# KiCad board 8851_HW-U1-VCU118_REV2-0_071417.kicad_pcb (continued)
## Routing (per net, layer and track width the routed paths; a pad name or vN(x,y) marks a point on that pad's centre or on a via; arc(x,y) is an arc through that point) (continued)
  BOTTOM w0.15: 50.09,140.39 51.49,140.39 v3(51.52,140.43)
USER_SI570_2_CLOCK_SCL: length 145.8
  TOP w0.15: 133.83,119.61 132.75,119.61 v3(132.49,119.35) ; 91.64,24.45 v3(94.02,24.45)
  07_SIG3 w0.17: v3(138.78,106.15) 138.65,106.27 136.25,106.27 134,108.52 134,112.11 134.11,112.22 134.11,116.65 133.67,117.09 133.67,118.79 132.92,119.54 132.68,119.54 v3(132.49,119.35)
  14_SIG4 w0.087: v3(94.02,24.45) 94.11,24.55 94.11,25.43 97.03,28.34 97.03,29.65 98.62,31.24 98.62,32.54 108.01,41.93 108.01,43.38 108.27,43.64 108.61,43.64 109,44.03 109,45.32 109.29,45.62 109.64,45.62 109.98,45.96 109.98,46.23 110.35,46.6 110.77,46.6 110.96,46.79 110.96,48.28 111.25,48.56 111.64,48.56 111.95,48.87 111.95,51.18 111.95,51.19 111.95,51.23 112.24,51.52 112.63,51.52 112.93,51.81 112.93,55.17 113.22,55.46 113.65,55.46 113.91,55.72 113.91,56.15 114.2,56.44 114.61,56.44 114.9,56.73 114.9,57.14 115.19,57.42 115.95,57.42 116.23,57.7 116.23,61.14 116.82,61.72 116.82,62.04 117.12,62.35 117.56,62.35 117.85,62.63 117.85,63.08 118.1,63.33 118.55,63.33 118.84,63.62 118.84,64.06 119.24,64.46 119.68,64.46 120.8,65.59 120.8,66.03 121.06,66.28 121.5,66.28 121.79,66.57 121.79,69.93 122.08,70.22 122.48,70.22 122.77,70.51 122.77,70.92 123.06,71.2 123.47,71.2 123.76,71.49 123.76,71.9 124.05,72.19 128.43,72.19 128.68,72.44 128.68,73.88 128.97,74.17 129.4,74.17 129.56,74.34 129.56,76.78 129.33,77.01 128.92,77.01 128.58,77.35 128.58,77.76 128.35,77.99 127.93,77.99 127.59,78.33 127.59,78.75 127.36,78.98 126.85,78.98 126.61,79.21 126.61,79.73 126.38,79.96 125.86,79.96 125.63,80.2 125.63,83.09 125.8,83.26 125.8,84.71 126.09,85 126.55,85 126.72,85.17 126.72,85.67 126.99,85.95 127.33,85.95 127.62,86.23 127.62,86.64 127.97,86.99 128.6,86.99 128.79,87.18 128.79,87.72 129.04,87.97 129.4,87.97 131.04,89.61 131.04,89.72 134.81,93.49 134.81,105.3 134.81,105.82 136.74,107.75 138.78,107.75 139.32,107.21 139.32,106.33 139.15,106.15 v3(138.78,106.15)
  BOTTOM w0.15: 134.35,121.32 133.48,121.32 132.99,120.84 131.28,120.84 131.06,120.61 131.06,119.04 131.28,118.83 131.62,118.83 131.85,119.05 131.85,119.28 131.93,119.35 v3(132.49,119.35)
USER_SI570_2_CLOCK_SDA: length 145.2
  TOP w0.15: 133.83,120.25 v3(132.47,120.25) ; 97.24,24.45 v3(94.83,24.45)
  07_SIG3 w0.17: v3(132.47,120.25) 132.3,120.42 132.3,120.88 132.43,121.01 132.96,121.01 133.1,120.87 133.1,120.16 134.27,118.99 134.27,117.27 134.65,116.89 134.65,111.97 134.59,111.9 134.59,108.78 136.54,106.83 138.58,106.83 v3(138.7,106.95)
  14_SIG4 w0.087: v3(138.7,106.95) 138.52,107.13 137,107.13 135.43,105.56 135.43,105.02 135.56,104.9 136.78,104.9 136.9,104.78 136.9,104.41 136.78,104.29 135.56,104.29 135.43,104.17 135.43,103.8 135.56,103.68 136.83,103.68 137.04,103.46 137.04,103.15 136.91,103.02 135.51,103.02 135.43,102.94 135.43,93.45 129.65,87.67 129.65,87.08 129.5,86.93 129.03,86.93 128.77,86.67 128.77,86.11 128.58,85.92 127.89,85.92 127.65,85.68 127.65,85.23 127.48,85.06 126.98,85.06 126.68,84.76 126.68,83.14 126.46,82.92 126.06,82.92 125.82,82.69 125.82,80.39 126.05,80.16 126.46,80.16 126.81,79.81 126.81,79.41 127.04,79.18 127.45,79.18 127.79,78.83 127.79,78.42 128.02,78.19 128.43,78.19 128.78,77.85 128.78,77.44 129.01,77.21 129.42,77.21 129.76,76.86 129.76,74.18 129.66,74.08 129.66,72.37 129.47,72.17 128.81,72.17 128.7,72.06 128.7,71.42 128.48,71.2 124.05,71.2 123.76,70.92 123.76,70.51 123.47,70.22 123.06,70.22 122.77,69.93 122.77,66.59 122.46,66.28 122.01,66.28 121.79,66.06 121.79,65.57 121.43,65.21 120.91,65.21 119.82,64.12 119.82,63.61 119.54,63.33 118.97,63.33 118.84,63.19 118.84,62.67 118.51,62.35 118.07,62.35 117.85,62.13 117.85,61.62 117.6,61.36 116.9,61.36 116.6,61.07 116.6,57.29 115.75,56.44 115.13,56.44 114.9,56.21 114.9,55.68 114.68,55.46 114.11,55.46 113.91,55.26 113.91,51.8 113.63,51.52 113.12,51.52 112.93,51.33 112.93,48.74 112.76,48.57 112.1,48.57 111.94,48.41 111.94,46.84 111.7,46.6 111.19,46.6 110.96,46.37 110.96,45.88 110.69,45.61 110.27,45.61 109.98,45.32 109.98,45.25 109.98,45.25 109.98,43.97 109.98,43.97 109.98,43.93 109.69,43.65 109.29,43.65 109,43.36 109,43.27 108.99,43.27 108.99,41.84 108.66,41.5 108.3,41.5 99.74,32.94 99.74,31.64 97.65,29.55 97.65,28.09 94.73,25.17 94.73,24.55 v3(94.83,24.45)
  BOTTOM w0.15: 134.35,120.07 132.65,120.07 v3(132.47,120.25)
USER_SI570_CLOCK1_N: length 108.7
  TOP w0.102: 131.63,63.33 v2(132.12,62.84) ; v3(170.11,14.39) 170.46,14.05 170.46,13.81 170.69,13.57 171.72,13.57 172.11,13.96 172.11,14.58
  16_SIG5 w0.075: v2(132.12,62.84) 132.12,63.16 132.2,63.23 132.44,63.23 132.51,63.17 132.51,53.75 132.36,53.59 131.78,53.59 131.54,53.36 131.54,49.77 131.86,49.45 132.31,49.45 132.51,49.25 132.51,48.81 132.86,48.47 135.26,48.47 135.48,48.25 135.48,47.75 135.76,47.47 139.52,47.47 139.56,47.43 139.58,47.43
  16_SIG5 w0.087: 139.58,47.43 139.73,47.43 140.26,46.89 140.26,40.85 143.51,37.59 146.37,37.59 149.59,34.38 149.59,30.43 151.44,28.58 164.5,28.58 170.27,22.81 170.27,14.54 v3(170.11,14.39)
  BOTTOM w0.102: v2(132.12,62.84) 132.12,63.11 132.23,63.22 133.41,63.22 133.71,63.51 133.71,64.08 134.22,64.6 139.73,64.6 141.34,62.99 141.34,61.75 147.51,55.58 147.75,55.58 v3(148.12,55.2) 151.38,55.2
USER_SI570_CLOCK1_P: length 110.9
  TOP w0.102: 131.63,64.31 v2(132.12,63.82) ; v3(171.03,14.39) 170.68,14.05 170.68,13.9 170.79,13.8 171.62,13.8 171.75,13.93 171.75,14.05 171.62,14.18 171.62,14.58
  TOP w0.3: v3(172.99,18.44) 173.09,18.33 U157.13
  16_SIG5 w0.075: 139.58,47.7 139.56,47.7 139.52,47.66 135.85,47.66 135.67,47.83 135.67,48.33 135.34,48.66 132.94,48.66 132.71,48.89 132.71,49.33 132.4,49.64 131.94,49.64 131.73,49.85 131.73,53.27 131.86,53.4 132.44,53.4 132.7,53.66 132.7,63.25 132.52,63.43 132.2,63.43 132.12,63.5 v2(132.12,63.82)
  16_SIG5 w0.087: 139.58,47.7 139.84,47.7 140.53,47.01 140.53,40.96 143.62,37.87 146.49,37.87 149.87,34.49 149.87,30.54 151.55,28.86 164.61,28.86 170.54,22.93 170.54,14.65 170.81,14.39 v3(171.03,14.39)
  BOTTOM w0.102: v2(132.12,63.82) 132.12,63.61 132.29,63.44 133.32,63.44 133.48,63.61 133.48,64.17 134.13,64.82 139.82,64.82 141.56,63.08 141.56,61.84 147.6,55.8 147.75,55.8 v3(148.13,56.18) 151.38,56.18
  BOTTOM w0.375: 171.79,18.64 172.79,18.64 v3(172.99,18.44)
USER_SI570_CLOCK_N: length 83
  TOP w0.102: 104.96,24.97 104.96,25.86 v3(104.85,25.98) ; v2(99.64,73.66) 100.13,73.17 ; v3(84,73.55) 83.98,73.53 81.12,73.53
  16_SIG5 w0.075: v2(99.64,73.66) 100.03,73.28 100.03,71.41 100.33,71.11 110.71,71.11 110.86,70.95 110.86,60.67 110.67,60.47 110.17,60.47 109.88,60.18 109.88,48.64 109.86,48.62 109.86,46.47 109.9,46.44 109.9,43.67 109.86,43.63 109.86,41.66 109.82,41.62 109.82,41.6
  16_SIG5 w0.087: 109.82,41.6 109.82,39.85 106.77,36.81 105.17,35.2 105.17,30.36 104.5,29.69 104.5,27.98 105.1,27.38 105.1,26.23 v3(104.85,25.98)
  BOTTOM w0.102: v3(84,73.55) 84,73.96 84.1,74.06 86.81,74.06 87.27,74.52 93.13,74.52 93.47,74.19 98.81,74.19 99.34,73.66 v2(99.64,73.66)
USER_SI570_CLOCK_P: length 85
  TOP w0.102: v3(84,74.8) 83.72,74.52 81.12,74.52 ; v2(100.63,73.66) 101.12,73.17 ; 105.45,24.97 105.45,25.8 v3(105.62,25.98)
  16_SIG5 w0.075: v2(100.63,73.66) 100.32,73.66 100.22,73.57 100.22,71.49 100.41,71.3 110.79,71.3 111.06,71.03 111.06,60.59 110.75,60.28 110.25,60.28 110.07,60.1 110.07,48.56 110.06,48.54 110.06,46.55 110.09,46.52 110.09,43.58 110.06,43.55 110.06,41.66 110.1,41.62 110.1,41.6
  16_SIG5 w0.087: 110.1,41.6 110.1,39.74 105.44,35.08 105.44,30.25 104.77,29.57 104.77,28.1 105.38,27.49 105.38,26.23 v3(105.62,25.98)
  BOTTOM w0.102: v3(84,74.8) 84,74.39 84.1,74.29 86.72,74.29 87.17,74.75 92.99,74.75 93.38,75.14 98.97,75.14 99.17,74.94 99.17,74.47 99.53,74.12 99.83,74.12 100.29,73.66 v2(100.63,73.66)
USER_SMA_CLOCK_N: length 100.8
  TOP w0.102: J35.1 76.23,129.95 76.23,128.82 v7(76.15,128.75) ; 107.02,73.17 v2(106.53,73.66)
  03_SIG1 w0.107: 104.21,87.91 104.21,87.88 104.17,87.84 104.17,79.41 104.4,79.18 107.76,79.18 108.11,78.83 108.11,78.67 108.11,73.32 107.86,73.07 107.15,73.07 106.92,73.3 106.92,73.56 106.82,73.66 v2(106.53,73.66)
  03_SIG1 w0.133: 104.21,87.91 104.21,88.27 101.06,91.42 101.06,96.68 101.95,97.57 101.95,99.73 101.82,99.86 101.82,101.57 104.86,104.62 104.86,110.2 105.25,110.59 105.25,123.45 102.93,125.77 100.9,125.77 100.33,126.34 100.33,127.9 98.36,129.87 90.45,129.87 89.81,130.5 87.05,130.5 86.55,131 77.86,131 76.51,129.65 76.51,129.11 v7(76.15,128.75)
USER_SMA_CLOCK_P: length 100.8
  TOP w0.102: 108.01,73.17 v2(107.52,73.66) ; v7(77.15,128.75) 77.21,128.81 77.21,129.95 J34.1
  03_SIG1 w0.107: 103.93,87.91 103.93,87.88 103.97,87.84 103.97,79.32 104.32,78.98 107.68,78.98 107.91,78.75 107.91,73.4 107.78,73.27 107.23,73.27 107.12,73.38 107.12,73.56 107.23,73.66 v2(107.52,73.66)
  03_SIG1 w0.133: v7(77.15,128.75) 76.79,129.11 76.79,129.54 77.97,130.72 79.29,130.72 79.43,130.59 79.43,130.26 79.56,130.12 79.82,130.12 79.96,130.26 79.96,130.59 80.09,130.72 80.35,130.72 80.49,130.59 80.49,130.26 80.62,130.12 80.88,130.12 81.02,130.26 81.02,130.59 81.15,130.72 86.44,130.72 86.94,130.22 89.7,130.22 90.33,129.59 98.24,129.59 100.05,127.79 100.05,126.23 100.78,125.5 102.81,125.5 104.98,123.33 104.98,110.71 104.59,110.32 104.59,104.73 101.54,101.69 101.54,99.75 101.67,99.62 101.67,97.69 100.79,96.8 100.79,91.31 103.93,88.16 103.93,87.91
UTIL_1V35: length 67.5
  TOP w0.375: 48.55,102.9 J97.1 ; J97.1 48.81,103.69 ; J97.1 48.81,102.1 ; J97.1 49.6,101.85 ; J97.1 49.6,103.95 ; J97.1 50.65,102.9 ; J97.1 50.39,103.69 ; J97.1 50.39,102.1 ; U142.A3 v2(70.2,121.23) ; 78.57,108.92 v2(79.06,108.43) ; U141.A3 v2(87.82,121.38) ; 70.69,108.92 v2(70.2,108.43) ; 73.64,112.86 v2(73.15,112.37) ; U141.F3 v2(87.82,116.46) ; 75.61,118.77 v2(76.1,119.26) ; v3(67.1,110.07) 66.54,110.62 66,110.62 65.51,110.13 65.99,109.65 66.65,109.65 v3(67.07,109.23) ; 101.33,109.71 100.73,110.31 99.9,110.31 v2(99.65,110.56) ; U141.L1 v2(85.85,110.55) ; U141.N11 v2(96.68,108.58) ; U141.N3 v2(87.82,108.58) ; U141.H2 v2(86.84,113.51) ; v2(89.79,113.51) U141.H5 ; 80.53,118.77 v2(81.03,119.26) ; 75.61,110.89 v2(76.1,110.4) ; U142.A11 v2(79.06,121.23) ; U141.A11 v2(96.68,121.38) ; U141.H12 v2(97.67,113.51) ; U141.F11 v2(96.68,116.46) ; U141.L13 v2(98.65,110.56) ; U141.H9 v2(94.71,113.51) ; v3(67.18,117.43) 66.01,117.43 65.78,117.67 65.78,117.97 66.19,118.37 67.13,118.37 v3(67.26,118.25) ; U142.L1 v2(68.23,110.4) ; U141.C1 v2(85.85,119.41) ; 73.65,109.91 v2(73.15,109.41) ; 80.53,110.89 v2(81.03,110.4) ; U142.C1 v2(68.23,119.26) ; 73.64,116.8 v2(73.15,117.29) ; U141.C13 v2(98.65,119.41) ; 73.64,119.75 v2(73.15,120.24)
  11_PWR2 w0.375: 48.81,102.1 J97.1 ; J97.1 48.81,103.69 ; J97.1 48.55,102.9 ; J97.1 49.6,101.85 ; J97.1 50.39,103.69 ; J97.1 50.65,102.9 ; J97.1 49.6,103.95
  BOTTOM w0.188: 102.77,114.11 102.59,113.93 102.59,112.69 103.32,111.97 103.32,111.22 102.7,110.61 101.45,110.61 101,111.06 100.03,111.06 100,111.03 99.13,111.03 v2(98.65,110.56)
  BOTTOM w0.375: v2(73.15,117.29) 73.39,117.05 74.03,117.05 ; v2(96.68,121.38) 96.91,121.61 C1269.1 ; v2(76.11,107.45) 76.13,107.43 C1296.1 ; 86.65,107.55 86.79,107.55 v2(87.82,108.58) ; v2(73.15,109.41) 73.41,109.67 74.03,109.67 ; 90.02,114.43 90.02,113.74 v2(89.79,113.51) ; v2(94.71,113.51) 94.29,113.93 C1282.1 ; 74.03,112.55 73.33,112.55 v2(73.15,112.37) ; v3(89,122.7) 89,123.57 89.48,124.05 89.97,123.56 v3(89.97,122.69) ; 74.03,120.07 73.33,120.07 v2(73.15,120.24) ; v2(86.84,113.51) 87.02,113.69 87.02,114.43
  vias: v3(45.25,105.17) v3(45.25,104.05) v3(45.25,102.92) v3(46.5,105.17) v3(46.5,104.05) v3(46.5,102.92) v3(47.75,105.17) v3(47.75,104.05) v3(47.75,102.92) v4(48.96,101.08) v4(48.96,99.33) v4(50.17,100.53) v4(50.21,99.33)
UTIL_1V35_DH_R: length 21.9
  TOP w0.375: v3(40.62,108.92) 41.24,108.92 41.34,108.82
  20_SIG7 w0.375: v3(50.68,118.87) 49.95,118.14 49.95,114.77 48.68,113.51 47.33,113.51 46.61,114.22 46.61,114.96 46.22,115.36 43.06,115.36 40.62,112.92 v3(40.62,108.92)
  BOTTOM w0.5: R1022.2 v3(50.68,118.87)
UTIL_1V35_DL: length 8
  TOP w0.25: v3(42.43,112.65) 42.3,112.65 41.98,112.33 41.98,111.72
  16_SIG5 w0.375: v3(45.6,116.72) 43.87,114.99 43.87,114.09 v3(42.43,112.65)
  BOTTOM w0.25: 45.22,118 45.22,117.33 45.6,116.95 v3(45.6,116.72)
UTIL_1V35_FET_SWITCH: length 24.9
  TOP w0.15: v3(48.42,107.67) 48.71,107.96 48.71,110.76 48.41,111.06 L66.1
  TOP w0.375: v3(50.8,120) 51.8,120 51.8,119.99
  BOTTOM w0.15: 48.5,109.93 48.5,107.75 v3(48.42,107.67)
  BOTTOM w0.25: 46.85,118.65 47.77,118.65 48.35,118.07 49.65,118.07 49.97,117.75
  BOTTOM w0.3: 49.97,117.75 C1325.2
  BOTTOM w0.375: 46.77,112.27 46.77,114.42 47.75,115.4 48.82,115.4 49.97,116.54 C1325.2 50.7,117.25 51.39,117.94 51.39,119.41 v3(50.8,120) R1076.2
  vias: v3(43.43,107.77) v3(44.03,106.97) v3(44.18,108.27) v3(45.03,106.85) v3(45.33,107.85) v3(46.15,106.85) v3(46.52,107.85) v3(47.15,106.85)
UTIL_1V35_PGOOD: length 222.2
  TOP w0.375: 203,168.86 v3(202.07,168.86) ; R1288.2 v3(200.74,160.3) ; v3(198.81,161.34) 198.9,161.43 199.76,161.43
  05_SIG2 w0.375: v3(46.12,154.35) 44.98,153.21 44.98,146.67 46.95,144.7 46.95,139.28 45.8,138.12 45.8,137.28 44.64,136.11 43.81,136.11 42.3,134.6 42.3,132.43 40.2,130.33 40.2,127.85 39.35,127 39.35,123.9 40.5,122.75 v3(41.35,122.75)
  07_SIG3 w0.375: v3(198.81,161.34) 198.81,163.69 201.12,166 201.12,167.91 v3(202.07,168.86)
  20_SIG7 w0.375: v3(46.12,154.35) 46.16,154.39 46.16,164.68 50.17,168.69 53.72,168.69 56.38,171.35 191.91,171.35 193.11,170.15 200.78,170.15 v3(202.07,168.86)
  BOTTOM w0.25: v3(41.35,122.75) 41.35,122.62 41.88,122.09 42.1,122.09
  BOTTOM w0.375: 200.09,161.34 v3(198.81,161.34)
UTIL_1V35_SNS_N: length 91.1
  05_SIG2 w0.133: v3(65.47,127.35) 65.15,127.67 63.96,127.67 54.08,117.79 43.85,117.79 41.61,120.02 39.13,120.02 v3(38.78,119.67)
  BOTTOM w0.102: 103.34,114.86 103.46,114.74 104.27,114.74 104.38,114.84 104.38,126.13 101.69,128.81 87.04,128.81 86.83,129.03 83.75,129.03 82.9,129.88 71.21,129.88 70.45,129.12 67.76,129.12 66.33,127.69 65.82,127.69 v3(65.47,127.35) ; 40.05,119.65 39.74,119.97 39.08,119.97 v3(38.78,119.67) ; 40.05,119.65 40.39,119.99 40.69,119.99 41.54,119.14 42.1,119.14 ; 40.05,119.65 40.05,118.51
UTIL_1V35_SNS_P: length 93.2
  05_SIG2 w0.133: v3(65.47,128.26) 65.15,127.94 63.84,127.94 53.96,118.06 43.96,118.06 41.73,120.3 39.65,120.3 v3(39.18,120.77)
  BOTTOM w0.102: 103.34,114.11 103.74,114.51 104.36,114.51 104.6,114.75 104.6,126.23 101.79,129.04 87.14,129.04 86.92,129.25 83.85,129.25 82.99,130.11 71.12,130.11 70.35,129.34 67.67,129.34 66.24,127.92 65.82,127.92 v3(65.47,128.26) ; 42.1,119.63 41.37,119.63 40.7,120.3 40.7,120.5 40.56,120.64 40.05,120.64 39.89,120.47 39.47,120.47 v3(39.18,120.77)
  BOTTOM w0.25: 45.85,125.59 45.85,124.03 45.22,123.39 U150.27
UTIL_1V35_TEMPX: length 21.9
  BOTTOM w0.25: 50.26,111.42 50.75,111.92 52.27,111.92 52.69,112.34 52.69,121.39 48.91,125.17 47.72,125.17 47.48,124.93 47.48,124.52 47.08,124.12 46.6,124.12 45.71,123.23 45.71,122.75
UTIL_3V3: length 382.1
  TOP w0.138: v3(144.21,114.58) 144.15,114.64 R125.1
  TOP w0.15: 114.75,24.61 113.76,24.61 v3(113.19,24.03) ; 172.62,38.79 172.01,38.79 171.53,38.31 170.99,38.31 170.99,37.06 v3(171,37.05) ; 2.3,138.74 v3(2.3,139.62) ; v3(169.86,64.4) 169.61,64.15 169.61,63.39
  TOP w0.25: v3(222.53,67.7) 222.53,67.41 222.29,67.16 222.29,66.52 ; v3(132.47,126.5) U37.6 ; 106.19,22.75 106.61,22.75 v3(107.09,22.27) ; 222.78,66.52 222.78,66.15 223.17,65.76 v3(223.2,65.76)
  TOP w0.3: v3(173.38,37.67) 173.44,37.74 R213.1 R192.1 ; 46.15,136.68 46.15,137.23 46.3,137.38 ; 59.97,85.66 59.52,85.66 59.23,85.38 v3(58.98,85.38) ; v3(222.53,67.7) 222.74,67.9 222.74,68.32 223.34,68.92 223.38,68.92 ; v3(59.61,120.21) 59.61,119.81 U151.A3
  TOP w0.375: v3(58,131.43) 57.9,131.33 57.9,129.85 ; v3(225.93,169.15) 225.6,168.82 224.85,168.82 ; v3(121.2,145.43) 120.29,145.43 119.56,144.7 119.56,144.25 120.36,143.45 v3(121.17,143.45) ; v3(173.38,37.67) 173.24,37.81 172.62,37.81 ; v3(62.16,24.54) 62.81,25.19 L71.1 65.23,25.19 v3(65.38,25.05) ; v3(48.84,140.24) 49.22,140.62 R603.1 ; R604.1 49.09,141.99 48.97,141.87 v3(48.59,141.87) ; v3(173.14,40.47) 173.51,40.85 R208.1 ; 58.12,85.17 58.78,85.17 v3(58.98,85.38) ; v3(126.1,145.2) 126.96,145.2 127.56,144.6 C957.1 126.91,143.5 v3(126.17,143.5) ; 223.38,67.93 223.38,65.93 v3(223.2,65.76) ; U39.15 121.38,111.1 v3(121.1,111.38) 121.1,111.39 121.44,111.74 122.25,111.74 ; J2.D40 v3(125.4,159.5) ; 130.14,14.68 131.13,14.68 v3(131.14,14.68) ; J22.Z40 v3(56.5,154.5) ; v3(61.62,144.75) 61.6,144.77 U19.23 ; v3(202.23,144.53) 202.21,144.55 201.37,144.55 ; 56.56,116.93 56.56,117.54 v3(56.27,117.83) ; 39.81,101.95 v3(41.06,101.95) ; J2.C39 v3(126.65,158.25) ; R28.1 197.93,21.31 v3(198.43,21.81) ; J2.D36 v3(130.4,159.5) ; 116.5,111.74 118.14,111.74 v3(118.46,111.42) 118.14,111.1 U39.10 ; v3(205.26,144.5) 205.21,144.55 204.37,144.55 ; J22.D36 v3(61.5,159.5) ; v3(142.74,120.84) 142.91,120.67 143.62,120.67 ; J22.D32 v3(66.5,159.5) ; 46.17,138.15 46.98,138.15 v3(47.12,138.3) ; v3(54.75,127.73) 54.75,128.81 54.95,129 55.03,129.08 R1008.1 ; U39.3 v3(118.46,115.58) ; R388.1 R389.1 v3(56.5,86.3) ; J2.D38 v3(127.9,159.5) ; v3(170.62,40.3) 170.51,40.42 R217.1 ; U19.24 61.47,145.41 v3(61.68,145.62) ; v3(145.46,116.61) 145.46,116.31 145.14,115.99 145.14,115.55 145.14,113.81 R399.1 ; J103.1 199.18,30.3 ; J103.1 198.12,31.35 ; J103.1 198.92,31.09 ; 204.23,142.06 v3(203.5,142.06) ; DS2.3 219.72,166.93 220.36,166.29 v3(220.36,166.01) ; 110.63,22.11 109.92,22.81 v3(109.02,22.81) 108.88,22.67 108.88,21.55 108.63,21.31 108,21.31 ; 204.23,143.04 v3(203.48,143.04) ; J22.D40 v3(56.5,159.5) ; C1164.1 142.13,100.29 142.57,99.85 142.82,99.85 v3(143,99.67) 142.6,99.27 142.23,99.27 141.21,100.29 141.21,100.97 140.22,101.95 140.22,102.82 v3(139.17,103.87) ; v3(142,112.42) 141.99,112.42 141.12,112.42 ; v3(205.05,163.1) DS3.3 ; C71.1 v3(221.51,72.42) ; U39.22 v3(121.11,115.58) ; v3(98.5,21.58) 97.75,21.58 96.94,22.39 ; U124.A3 14.18,116.85 v3(13.94,117.09) ; 192.88,60.31 192.88,59.67 v3(192.94,59.61) ; U38.6 91.94,27.71 v3(92.28,28.05) ; 222.49,71.31 v3(223.26,71.31) ; 172.62,35.68 v3(172.62,34.92) ; J22.D38 v3(59,159.5) ; v3(3.8,138.73) 4,138.93 R786.1 ; 192.88,61.29 v3(192.88,61.92) ; J2.D32 v3(135.4,159.5) ; 26.69,148.94 v3(26.69,149.81) ; J22.C39 v3(57.75,158.25) ; 221.38,151.15 v3(221.38,152.03) ; 39.75,98.21 v3(39.75,99.05)
  09_PWR1 w0.375: 62.66,22.23 J9.1 ; J9.1 64.5,23.02 ; J9.1 63.45,24.08 ; J9.1 64.24,22.23 ; J9.1 63.45,21.97 ; J9.1 64.24,23.82 ; J9.1 62.4,23.02 ; J9.1 62.66,23.82 ; 232.3,77.67 233.09,76.88 ; 232.3,77.67 232.3,76.62 ; 232.3,77.67 233.09,78.47 ; 232.3,77.67 231.51,76.88 ; 232.3,77.67 232.3,78.73 ; 232.3,77.67 231.25,77.67 ; 232.3,77.67 231.51,78.47 ; 232.3,77.67 233.35,77.67 ; 225.05,61.47 225.84,60.67 ; 225.05,61.47 225.05,62.52 ; 225.05,61.47 224.26,62.26 ; 225.05,61.47 225.84,62.26 ; 225.05,61.47 225.05,60.42 ; 225.05,61.47 224.26,60.67 ; 225.05,61.47 226.1,61.47 ; 225.05,61.47 224,61.47 ; J8.1 198.8,25.93 ; J8.1 196.96,26.72 ; J8.1 196.7,25.93 ; J8.1 198.54,25.13 ; J8.1 197.75,24.87 ; J8.1 198.54,26.72 ; J8.1 197.75,26.98 ; J8.1 196.96,25.13 ; J103.1 198.12,31.35 ; J103.1 198.92,29.51 ; J103.1 198.12,29.25 ; J103.1 197.33,29.51 ; J103.1 197.33,31.09 ; J103.1 197.07,30.3 ; J103.1 198.92,31.09 ; J103.1 199.18,30.3 ; 226.76,62.26 227.55,61.47 ; 227.55,61.47 226.76,60.67 ; 227.55,61.47 227.55,60.42 ; 227.55,61.47 227.55,62.52 ; 227.55,61.47 228.6,61.47 ; 227.55,61.47 228.34,62.26 ; 227.55,61.47 226.5,61.47 ; 227.55,61.47 228.34,60.67 ; 234.8,77.67 234.8,78.73 ; 234.8,77.67 234.01,76.88 ; 234.8,77.67 234.8,76.62 ; 234.8,77.67 235.59,76.88 ; 234.8,77.67 235.85,77.67 ; 234.8,77.67 233.75,77.67 ; 234.8,77.67 234.01,78.47 ; 234.8,77.67 235.59,78.47
  16_SIG5 w0.375: 225.05,61.47 225.84,60.67 ; 225.05,61.47 224.26,60.67 ; 225.05,61.47 226.1,61.47 ; 225.05,61.47 225.05,62.52 ; 225.05,61.47 224.26,62.26 ; 225.05,61.47 225.05,60.42 ; 225.05,61.47 224,61.47 ; 225.05,61.47 225.84,62.26 ; 226.76,60.67 227.55,61.47 ; 227.55,61.47 228.6,61.47 ; 227.55,61.47 228.34,60.67 ; 227.55,61.47 227.55,60.42 ; 227.55,61.47 226.76,62.26 ; 227.55,61.47 226.5,61.47 ; 227.55,61.47 228.34,62.26 ; 227.55,61.47 227.55,62.52
  BOTTOM w0.15: v3(2.3,139.62) 3.88,139.62 4.63,138.87 5.55,138.87 ; 144.21,115.6 v3(144.21,114.58) ; U31.5 170.31,37.74 v3(171,37.05) ; R129.1 v3(169.86,64.4) ; R77.1 113.23,24.05 arc(113.21,24.05) v3(113.19,24.03) ; U154.16 5.96,166.39 6.75,167.18 6.75,170 6.95,170.2 7.5,170.2 7.67,170.03 7.67,167.68 8,167.35 8.53,167.35 8.85,167.68 8.85,170.35 9,170.5 9.65,170.5 9.8,170.35 9.8,166.78 10.57,166 12.32,166 12.6,166.27 12.6,167.52
  BOTTOM w0.2: U13.7 34.24,68.6 33.74,69.1 v3(33.74,69.18) ; v3(49.73,79.45) 50.05,79.12 U22.7 ; v3(33.65,66.44) 34.09,66.44 34.24,66.58 U13.1 ; U22.1 50.05,76.35 v3(50,76.3)
  BOTTOM w0.25: v3(54.75,127.73) 55.29,128.26 55.29,129.03 ; 143.3,100.53 143.3,100.14 143,99.84 v3(143,99.67) ; 40.33,104.5 40.77,104.5 41.02,104.75 ; 142.74,119.87 v3(142.74,120.84) ; 41.6,104.5 41.62,104.47 ; 192.94,60.66 v3(192.94,59.61) ; 229.5,104.63 229.5,104.15 v4(228.62,103.26)
  BOTTOM w0.3: 174.64,37.74 173.44,37.74 v3(173.38,37.67) ; v3(202.23,144.53) 200.74,144.53 ; v3(192.88,61.92) 192.44,61.49 192.44,60.66 ; 187.67,151.48 187.67,150.75 v3(187.45,150.53) ; 169.36,40.24 170.56,40.24 v3(170.62,40.3)
  BOTTOM w0.375: RP2.4 195.93,146.74 v3(195.54,147.14) 195.93,147.53 RP2.3 ; 169.99,41.33 170.62,40.69 v3(170.62,40.3) ; v3(172.5,62.57) 171.91,63.15 171.34,63.15 ; v3(47.67,72.33) 49.73,72.33 ; R929.1 142.51,99.18 v3(143,99.67) ; R500.1 v3(221.13,34.42) ; v3(139.17,103.87) 139.81,104.5 141.57,104.5 141.95,104.12 141.95,102.65 141.12,101.83 141.12,100.55 141.39,100.28 141.39,97.91 141.88,97.42 R928.1 ; 16.61,70.94 v3(16.61,71.64) ; 30.77,81.31 31.96,81.31 v3(32,81.27) 33,81.27 ; v3(3.8,138.73) 3.8,138.23 4.14,137.89 5.55,137.89 ; v3(66.35,149.66) 65.31,149.66 ; 59.52,119.45 59.52,120.13 v3(59.61,120.21) ; 5.78,130.01 5.78,130.72 v3(5.85,130.8) 5.85,131.66 ; C69.1 58.11,45.51 58.34,45.74 59.11,45.74 v3(59.46,46.1) 59.82,45.74 60.8,45.74 ; v3(49.94,147.74) 51.84,147.74 ; v3(207.88,145.55) 207.5,145.17 206.48,145.17 ; 131.57,126.52 132.45,126.52 v3(132.47,126.5) ; v3(31.88,115.02) 31.88,114.67 32.38,114.17 ; 60.96,144.51 60.96,145.62 ; 60.96,144.51 60.96,143.41 ; 60.96,144.51 61.39,144.51 v3(61.62,144.75) ; 60.96,145.62 v3(61.68,145.62) ; 60.96,145.62 60.96,146.71 60.93,146.73 ; C154.1 v3(189.21,119.66) ; v3(45.27,142.5) 45.48,142.29 46.42,142.29 R607.1 R608.1 ; R331.2 v3(125.97,139.21) ; 119.54,153.65 v3(119.54,154.64) ; 6.42,158.89 6.42,159.02 6.83,159.42 v3(7.1,159.42) ; 12.69,118.81 11.88,118.81 v3(11.86,118.79) ; v3(60.26,22.67) 60.04,22.45 58.45,22.45 58.45,21.33 ; v3(61.8,139.38) 61.62,139.2 60.96,139.2 60.96,140.2 ; 227.85,103.13 228.49,103.13 v4(228.62,103.26) ; 59.1,44.86 59.72,44.86 59.81,44.76 61.58,44.76 v3(61.65,44.83) ; 205.38,159.67 v3(204.5,159.67) ; v3(33.74,69.18) 33.79,69.18 34.27,69.67 C40.1 ; 221.38,151.15 v3(221.38,152.03) ; RP3.4 195.93,150.24 v3(195.54,150.64) 195.93,151.03 RP3.3 ; v3(59.17,49.04) 58.97,48.85 58.45,48.85 58.45,49.27 58.69,49.52 58.69,50 ; 214.13,166.79 v3(214.13,166.09) ; 16.93,167.52 v3(16.93,166.25) ; 127.66,153.65 v3(127.66,154.64) ; C204.1 97.03,21.89 97.35,21.58 v3(98.5,21.58) ; 212.5,166.79 v3(212.5,166.09) ; v3(221.13,30.68) R501.1 R502.1 ; C73.1 v3(227.26,89.76) ; RP2.2 195.93,148.32 v3(195.54,148.71) 195.93,149.11 RP2.1 ; 14.73,70.94 v3(14.73,71.64) ; 57.15,151.13 55.53,151.13 v3(55.53,152.12) ; 25.49,114.05 26.24,113.3 v3(26.5,113.3) 27.01,113.81 C774.1 ; R323.1 v3(197.02,144.94) ; v3(182.58,141) 182.99,141.41 183.33,141.41 ; 52.28,151.13 v3(52.28,152.12) ; v3(128.28,127.49) 129.16,127.49 ; 215.75,166.79 v3(215.75,166.09) ; 62.07,118.85 62.07,119.55 61.99,119.63 61.49,119.63 v3(61.25,119.88) ; v3(107.09,22.27) 107.09,22.3 106.25,23.14 ; R220.1 166.38,41.82 v3(166.8,42.24) ; v3(59.18,47.07) 59.18,47.4 58.95,47.63 58.45,47.63 58.45,46.5 ; v3(31.5,84.8) 31.5,85.03 R126.1 ; 121.16,153.65 v3(121.16,154.64) ; 206.48,144.53 205.34,144.53 205.31,144.5 v3(205.26,144.5) ; 205.13,166.79 v3(205.13,166.09) ; 38.31,75.98 v3(37.48,75.98) 37.11,75.98 36.74,76.36 v3(36.74,79.25) ; 61.4,24.62 v3(60.56,24.62) ; 207.38,159.67 v3(206.44,159.67) ; v3(166.95,37.2) 166.76,37.2 166.38,37.58 R221.1 ; 54.75,15.43 54.75,14.98 v3(55.1,14.62) ; v3(14.74,117.81) C866.1 16.56,117.21 16.56,116.47 v3(16.46,116.38) ; 49.03,151.13 v3(49.03,152.12) ; v3(45.53,144.63) R91.1 R92.1 ; 210.13,166.79 v3(210.13,166.09) ; 203.42,57.44 v3(203.42,58.13) ; 217.38,166.79 v3(217.38,166.09) ; 213.75,164.15 v3(214.6,164.15) ; v3(118.46,115.58) 118.78,115.27 119.53,115.27 ; 218.08,53.28 v3(217.31,53.28) ; 31.77,104.38 v3(31.77,103.65) ; 50.65,151.13 v3(50.65,152.12) ; 126.04,153.65 v3(126.04,154.64) ; v3(131.14,14.68) 131.01,14.81 130.38,14.81 ; 137.82,122.59 140.15,122.59 ; RP3.1 195.93,152.61 v3(195.54,152.21) 195.93,151.82 RP3.2 ; v3(109.06,157.08) 109.03,157.11 108.37,157.11 ; 177.12,40.79 v3(176.13,40.79) ; 50,75.54 v3(50,76.3) ; 136.8,150.41 v3(136.8,149.33) ; 209.5,159.67 v3(208.56,159.67) ; 122.79,153.65 v3(122.79,154.64) ; R327.1 v3(221.13,33.17) ; 58.69,24.83 58.69,24.44 58.45,24.2 58.45,23.68 v3(59.51,23.68) ; 208.38,166.79 208.38,165.62 v3(208.54,165.46) ; 53.9,151.13 v3(53.9,152.12) ; 206.75,166.79 v3(206.75,166.09) ; C1344.1 v3(56.7,23.68) ; 124.41,153.65 v3(124.41,154.64) ; v3(171.64,65.4) 170.84,65.4 ; 13.94,117.82 v3(13.94,117.09) ; 211.63,159.67 v3(210.69,159.67) ; C525.1 v3(187.47,169.19) ; 115.49,24.05 116.09,24.65 v3(116.52,24.65) ; v3(142,112.42) 141.64,112.06 140.78,112.06
  vias: v3(19.77,151.98) v3(20.85,151.98) v3(41.33,105.55) v3(41.95,105.1) v3(42.7,105.12) v3(43.02,94.5) v3(43.02,93.5) v3(44.05,91.8) v3(44.05,90.8) v3(44.72,45.81) v3(44.72,45.06) v3(44.75,20.75) v3(44.75,20) v3(45.05,91.8) v3(45.05,90.8) v3(46.05,91.8) v3(46.05,90.8) v3(46.95,137.58) v3(47.05,90.8) v3(47.75,137.93) v3(48.19,92.54) v3(48.39,93.77) v3(49.19,92.54) v3(50.19,92.54) v3(61.25,120.63) v3(62.03,147.57) v3(62.53,147.01) v3(62.57,31.93) v3(62.89,50.9) v3(63.21,146.62) v3(63.67,59.88) v3(63.91,31.94) v3(64.3,59.38) v3(64.29,50.88) v3(84.76,31.64) v3(85.74,31.64) v3(135.35,26.38) v3(136.08,123.82) v3(136.08,122.57) v3(136.08,121.32) v3(136.08,120.07) v3(136.08,115.07) v3(136.1,26.38) v3(136.85,26.38) v3(137.08,123.82) v3(137.08,122.57) v3(137.08,121.32) v3(137.08,120.07) v3(137.08,118.82) v3(137.08,117.57) v3(137.08,115.07) v3(137.18,109.31) v3(137.93,110.14) v3(137.93,109.31) v3(138.81,110.14) v3(159.72,131.88) v3(167.88,50.67) v3(171.25,49.8) v3(171.88,49.17) v3(172.62,48.8) v3(189.37,168.77) v3(189.37,167.9) v3(189.37,167.02) v3(190.12,168.77) v3(190.12,167.9) v3(200.38,31.3) v3(201.5,32.67) v3(201.5,31.43) v3(202.62,33.92) v3(202.62,32.67) v3(202.62,31.43) v3(203.75,33.92) v3(203.75,32.67) v3(203.75,31.43) v3(204.88,33.92) v3(204.88,32.67) v3(204.88,31.43) v3(206,33.92) v3(206,32.67) v3(206,31.43) v3(223.5,97.3) v3(223.5,96.42) v3(224.5,97.3) v3(224.5,96.42) v3(225.5,97.3) v3(225.5,96.42) v3(226.5,97.3) v3(226.5,96.42)
